# Altium PCB PCB_V2.PcbDoc (part 2 of 2)
Units mm, origin at the board's own origin, x right, y up, seen from the top; angles counter-clockwise.
Board outline 50 x 120 mm, 4 copper layers (Top Layer, Signal Layer 1, Signal Layer 2, Bottom Layer), stack 0.651 mm thick; 256 components, 172 nets, 904 pads, 721 vias.
Unrouted connection lines stored in the file: 635.
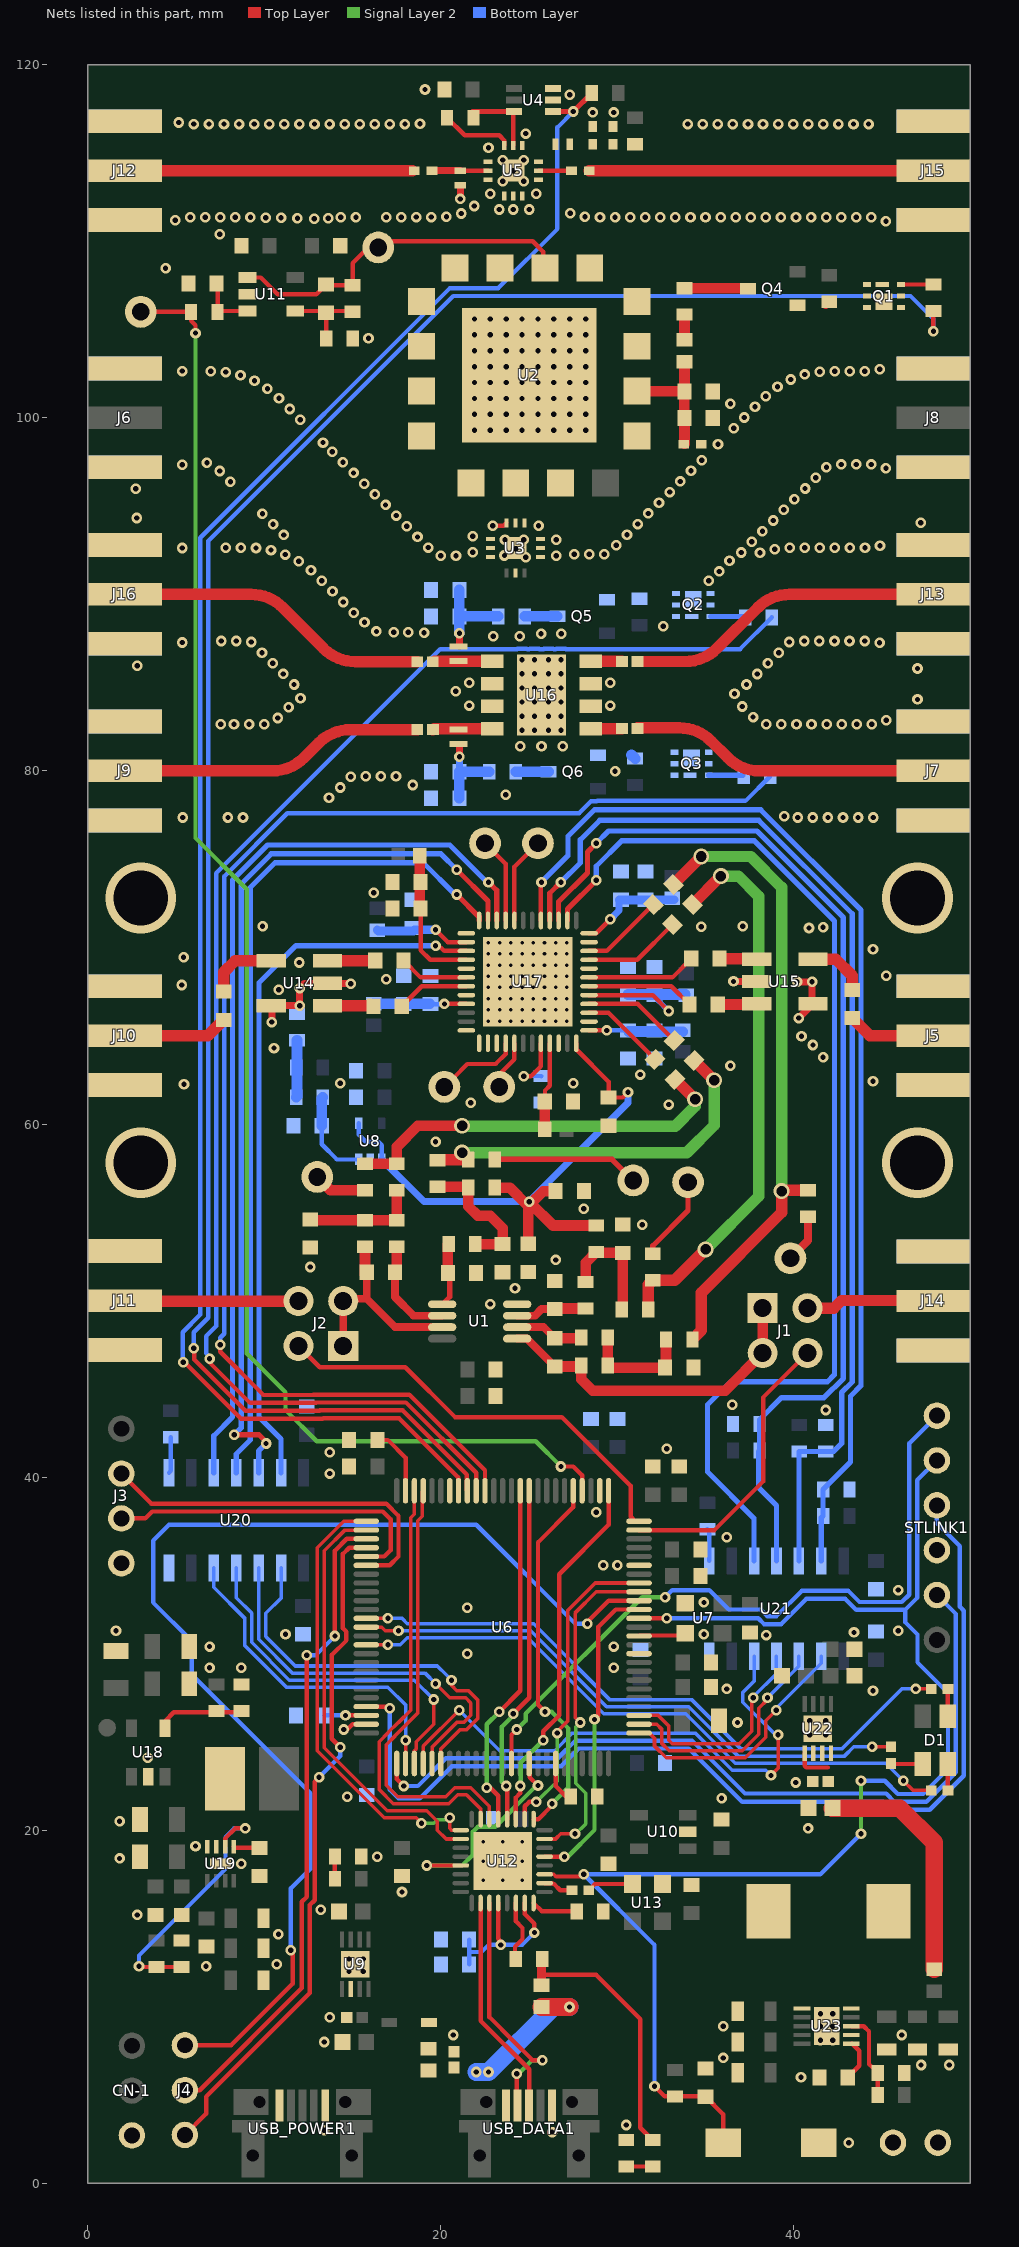
[diagram p4: the nets of this part, all layers, seen from the top]

## Via types
v1: diameter 0.6, hole 0.3, Top Layer to Bottom Layer, tented both sides, 636 vias
v2: diameter 0.5, hole 0.2, Top Layer to Bottom Layer, tented both sides, 73 vias
v3: diameter 0.9, hole 0.6, Top Layer to Bottom Layer, tented both sides, 8 vias
v4: diameter 4, hole 3.1, Top Layer to Bottom Layer, 4 vias

## Nets (pads, with @x,y where several pads share a name; then routed paths per layer and width w, separated by ;. In a path a pad name is that pad's centre, name@x,y a point inside that pad or via, vN(x,y) a via of type N, cw(c..) or ccw(c..) an arc to the next point about the centre after c; other vN are vias at no path point) (continued)
GND: C1.2 C2.2 C3.2 C4.2 C5.2 C6.1 C8.2 C9.2 C10.2 C11.1 C13.1 C14.1 C15.1 C18.1 C19.1 C20.1 C21.1 C22.2 C23.1 C24.1 C25.1 C26.1 C27.2 C28.2 C29.2 C30.1 C31.2 C32.1 C33.2 C34.1 C35.1 C36.2 C37.1 C38.2 C39.2 C40.1 C41.1 C42.1 C43.1 C44.1 C45.1 C46.1 C47.1 C48.1 C49.1 C51.1 C52.1 C53.1 C54.1 C55.1 C56.1 C58.1 C61.1 C69.2 C70.2 C71.2 C72.2 C73.1 C76.1 C77.1 C78.2 C79.2 C80.1 C81.1 C84.2 C85.2 C86.2 C87.2 C88.1 C90.1 C91.1 C92.1 C93.1 C94.1 C95.2 C96.2 C97.2 C98.2 C99.1 C100.1 C101.1 C102.1 C103.1 C104.1 C105.1 C106.1 C107.1 C108.1 C109.2 C110.1 C111.1 C112.1 C113.1 C114.1 C115.1 CN-1.3 CN-GND1.1 CN-GND1.2 D3.2 J3.4 J5.2 J5.3 J5.4 J5.5 J6.2 J6.3 J6.4 J6.5 J7.2 J7.3 J7.4 J7.5 J8.2 J8.3 J8.4 J8.5 J9.2 J9.3 J9.4 J9.5 J10.2 J10.3 J10.4 J10.5 J11.2 J11.3 J11.4 J11.5 J12.2 J12.3 J12.4 J12.5 J13.2 J13.3 J13.4 J13.5 J14.2 J14.3 J14.4 J14.5 J15.2 J15.3 J15.4 J15.5 J16.2 J16.3 J16.4 J16.5 L1.2 Q1.4 Q1.7 Q2.4 Q2.7 Q3.4 Q3.7 R19.2 R26.1 R27.2 R28.2 R38.1 R39.1 R40.1 R41.1 R44.2 R60.1 R61.1 R65.1 S1.2 STLINK1.3 U1.4 U2.1 U2.3 U2.5 U2.7 U2.8 U2.9 U2.11 U2.12 U2.13 U2.14 U2.15 U2.16 U2.17 U3.1 U3.3 U3.4 U3.5 U3.6 U3.8 U3.10 U3.11 U3.12 U3.13 U4.2 U4.3 U5.1 U5.3 U5.4 U5.5 U5.6 U5.7 U5.10 U5.13 U6.10 U6.20 U6.27 U6.74 U7.2 U8.2 U9.6 U9.9 U10.2 U11.2 U12.33 U13.2 U14.2 U14.6 U15.2 U15.4 U16.2 U16.3 U16.6 U16.7 U16.9 U17.1 U17.5 U17.8 U17.12 U17.13 U17.14 U17.15 U17.22 U17.26 U17.32 U17.35 U17.49 U18.2 U19.8 U19.9 U20.7 U21.7 U22.6 U22.9 U23.7 U23.11 USB_DATA1.5 USB_POWER1.5 | length 14
  Top Layer w0.25: v1@14.6,25.6 15,26 U6.74@15.775,26 ; v1(22.935,93.89) 23.555,93.89 U3.3@23.715,94.05 ; C53.1@34.15,16.95 C53.1@34.2,16.9
  Top Layer w0.4: v1(10.425,65.775) 10.425,66.67 10.455,66.7 v1(12,66.7) v1(12,67.7) 12.27,67.97 U14.2@13.575,67.97 14.88,67.97 v1(14.9,67.95) ; v1(21.1,112.4) L1.2@21.1,113.09 ; v1(36.575,68.075) 37.89,68.075 U15.2@37.895,68.07 ; v1(40.175,68.05) v1(41.025,68.05) 41.025,66.85 U15.4@41.075,66.8 v1(40.275,66)
  other v1: 43.1,2.3 26.3,2.9 13.4,3 30.5,3.3 40.4,6 47.2,6.7 48.8,6.7 36,7.1 13.4,8 41.5,8.1 42.2,8.1 20.7,8.4 46.1,8.4 36,8.9 41.5,8.9 42.2,8.9 13.7,9.4 41.5,9.6 42.2,9.6 14.8,12 15.6,12 6.7,12.3 10.7,12.4 14.8,12.7 15.6,12.7 10.8,14.1 2.8,15.2 13.2,15.5 17.8,16.5 8.7,18.1 1.8,18.4 16.4,18.5 6.1,19.1 40.8,20.1 1.8,20.5 35.9,21.8 14.7,21.9 40.1,22.7 3.4,24.1 40.9,25.4 41.8,25.4 14.5,25.7 36.8,26.1 40.9,26.2 41.8,26.2 44.475,27.9 36.2,28 6.9,29.2 8.7,29.2 29.8,29.2 21.5,30 6.9,30.4 29.8,30.4 38.428,31.05 11.2,31.1 34.9,31.1 43.4,31.2 1.6,31.3 45.9,31.3 21.5,32.6 34.9,32.9 45.9,33.6 29.2,35 30,35 36.2,36.6 28.8,38 13.7,40.2 13.7,41.4 32.8,41.6 41.8,43.8 36.5,44.1 22.8,49.8 24.2,50.7 12.6,51.9 26.5,52.3 31.4,54.3 28.1,55.2 19.7,59 32.9,61.1 21.7,61.2 5.45,62.25 14.3,62.3 27.5,62.3 44.475,62.425 31.3,62.8 36.4,63.3 41.65,63.775 10.55,64.3 41.075,64.475 40.425,64.975 10.825,67.6 5.325,67.875 16.9,68.2 45.225,68.4 11.975,69.15 5.425,69.45 44.475,69.9 40.85,71.1 41.65,71.15 34.75,71.175 9.9,71.2 37.1,71.2 16.2,73.1 5.375,77.36 7.937,77.36 8.791,77.36 40.217,77.36 41.071,77.36 41.925,77.36 42.779,77.36 43.633,77.36 44.487,77.36 39.45,77.425 13.665,78.484 23.675,78.65 14.295,79.061 18.4,79.2 14.898,79.665 15.752,79.695 16.606,79.695 17.46,79.695 29.866,79.987 24.5,81.4 25.7,81.4 26.9,81.4 24.6,82.3 25.3,82.3 26.1,82.3 26.8,82.3 7.525,82.65 8.283,82.64 9.137,82.64 9.991,82.64 38.434,82.64 39.288,82.64 40.142,82.64 40.996,82.64 41.85,82.64 42.704,82.64 43.558,82.64 44.412,82.64 45.235,82.867 10.766,82.999 37.684,83.049 24.6,83.1 25.3,83.1 26.1,83.1 26.8,83.1 11.374,83.599 37.077,83.649 21.6,83.7 29.6,83.7 24.6,83.9 25.3,83.9 26.1,83.9 26.8,83.9 47,84.05 12.048,84.123 36.63,84.377 20.845,84.51 24.6,84.7 25.3,84.7 26.1,84.7 26.8,84.7 11.684,84.896 37.31,84.894 21.6,85 29.6,85 11.074,85.493 24.6,85.5 25.3,85.5 26.1,85.5 26.8,85.5 37.923,85.489 47,85.8 2.8,85.95 10.47,86.097 38.526,86.093 24.6,86.3 25.3,86.3 26.1,86.3 26.8,86.3 39.13,86.697 9.866,86.701 5.35,87.275 44.851,87.264 9.262,87.304 39.734,87.301 7.556,87.36 8.41,87.36 40.586,87.36 41.44,87.36 42.294,87.36 43.148,87.36 44.002,87.36 22.975,87.625 24.475,87.625 25.675,87.775 26.825,87.775 19.05,87.825 17.325,87.85 18.15,87.85 16.35,87.9 32.6,88.2 15.675,88.425 15.07,88.963 14.466,89.567 13.862,90.171 13.259,90.775 35.175,90.775 35.775,91.3 12.641,91.365 11.953,91.87 36.35,91.9 24.8,92.1 20.001,92.19 20.855,92.19 23.6,92.2 26.535,92.19 11.19,92.255 27.547,92.265 28.401,92.265 29.255,92.265 38.075,92.355 37.007,92.374 21.8,92.39 10.375,92.51 38.904,92.563 24.235,92.59 5.35,92.625 7.822,92.64 8.676,92.64 9.529,92.627 39.754,92.642 40.608,92.64 41.462,92.64 42.316,92.64 43.17,92.64 44.024,92.64 19.283,92.651 44.871,92.747 29.941,92.774 37.611,92.978 23.635,93.09 24.7,93.1 26.535,93.09 18.679,93.255 21.8,93.29 11.1,93.367 30.545,93.378 38.215,93.582 18.075,93.859 25.535,93.89 10.496,93.971 31.149,93.982 47.175,94.05 38.819,94.185 2.775,94.325 17.471,94.463 9.892,94.575 31.752,94.586 39.423,94.789 16.867,95.066 32.356,95.19 40.027,95.393 16.263,95.67 32.96,95.794 2.725,95.975 40.631,95.997 15.659,96.274 8.08,96.386 33.564,96.398 41.234,96.601 15.055,96.878 7.477,96.99 34.168,97.001 45.211,97.139 41.838,97.205 5.35,97.35 42.678,97.36 43.532,97.36 44.386,97.36 6.75,97.45 14.452,97.482 34.772,97.605 13.848,98.086 35.7,98.5 13.325,98.6 21.9,99.3 22.8,99.3 23.7,99.3 24.6,99.3 25.5,99.3 26.4,99.3 27.3,99.3 28.2,99.3 36.583,99.417 12.036,99.897 37.187,100.021 21.9,100.2 22.8,100.2 23.7,100.2 24.6,100.2 25.5,100.2 26.4,100.2 27.3,100.2 28.2,100.2 11.432,100.501 37.791,100.625 36.4,100.8 21.9,101.1 22.8,101.1 23.7,101.1 24.6,101.1 25.5,101.1 26.4,101.1 27.3,101.1 28.2,101.1 10.828,101.105 38.399,101.225 10.174,101.654 39.065,101.759 21.9,102 22.8,102 23.7,102 24.6,102 25.5,102 26.4,102 27.3,102 28.2,102 9.444,102.096 39.812,102.173 8.65,102.412 40.616,102.46 7.816,102.593 41.457,102.611 5.35,102.65 6.963,102.64 42.31,102.64 43.164,102.64 44.018,102.64 44.866,102.744 21.9,102.9 22.8,102.9 23.7,102.9 24.6,102.9 25.5,102.9 26.4,102.9 27.3,102.9 28.2,102.9 21.9,103.8 22.8,103.8 23.7,103.8 24.6,103.8 25.5,103.8 26.4,103.8 27.3,103.8 28.2,103.8 15.9,104.5 21.9,104.7 22.8,104.7 23.7,104.7 24.6,104.7 25.5,104.7 26.4,104.7 27.3,104.7 28.2,104.7 21.9,105.6 22.8,105.6 23.7,105.6 24.6,105.6 25.5,105.6 26.4,105.6 27.3,105.6 28.2,105.6 4.405,108.471 7.475,110.4 45.211,111.139 4.958,111.192 12.825,111.275 11.875,111.3 13.625,111.3 10.075,111.325 10.95,111.325 5.796,111.36 6.65,111.36 7.504,111.36 8.358,111.36 9.212,111.36 14.336,111.36 15.19,111.36 16.898,111.36 17.752,111.36 29.014,111.36 29.868,111.36 30.722,111.36 31.576,111.36 32.43,111.36 33.284,111.36 34.138,111.36 34.992,111.36 35.846,111.36 36.7,111.36 37.554,111.36 38.408,111.36 39.262,111.36 40.116,111.36 40.97,111.36 41.824,111.36 42.678,111.36 43.532,111.36 44.386,111.36 18.606,111.37 19.46,111.37 28.16,111.384 20.313,111.391 21.148,111.573 27.329,111.58 23.3,111.8 24.1,111.8 25,111.8 21.889,111.997 22.8,112.7 25.4,112.7 23.5,113.4 24.7,113.4 24.1,114 23.5,114.6 24.7,114.6 22.7,115.3 24.8,116.1 6.009,116.64 6.863,116.64 7.717,116.64 8.571,116.64 9.425,116.64 10.279,116.64 11.133,116.64 11.987,116.64 12.841,116.64 13.695,116.64 14.549,116.64 15.403,116.64 16.257,116.64 17.111,116.64 17.965,116.64 33.979,116.64 34.833,116.64 35.687,116.64 36.541,116.64 37.395,116.64 38.249,116.64 39.103,116.64 39.957,116.64 40.811,116.64 41.665,116.64 42.519,116.64 43.373,116.64 44.227,116.64 18.819,116.65 5.159,116.73 28.6,117.3 29.8,117.3 27.3,118.3 19.1,118.6
  other v2: 22.4,17.15 23.5,17.15 24.6,17.15 22.4,18.25 23.5,18.25 24.6,18.25 22.4,19.35 23.5,19.35 24.6,19.35 22.695,65.83 23.33,65.83 23.965,65.83 24.6,65.83 25.235,65.83 25.87,65.83 26.505,65.83 27.14,65.83 22.695,66.465 23.33,66.465 23.965,66.465 24.6,66.465 25.235,66.465 25.87,66.465 26.505,66.465 27.14,66.465 22.695,67.1 23.33,67.1 23.965,67.1 24.6,67.1 25.235,67.1 25.87,67.1 26.505,67.1 27.14,67.1 22.695,67.735 23.33,67.735 23.965,67.735 24.6,67.735 25.235,67.735 25.87,67.735 26.505,67.735 27.14,67.735 22.695,68.37 23.33,68.37 23.965,68.37 24.6,68.37 25.235,68.37 25.87,68.37 26.505,68.37 27.14,68.37 22.695,69.005 23.33,69.005 23.965,69.005 24.6,69.005 25.235,69.005 25.87,69.005 26.505,69.005 27.14,69.005 22.695,69.64 23.33,69.64 23.965,69.64 24.6,69.64 25.235,69.64 25.87,69.64 26.505,69.64 27.14,69.64 22.695,70.275 23.33,70.275 23.965,70.275 24.6,70.275 25.235,70.275 25.87,70.275 26.505,70.275 27.14,70.275
  other v4: 3,57.8 47,57.8 3,72.8 47,72.8
I_OUT_N: C74.1 R5.2 R7.2 | length 36.7
  Top Layer w0.645: C74.1@33.166,73.566 v3(34.75,75.15) ; R5.2@34.25,47.8 34.75,48.3 34.75,50.435 39.3,54.985 v3(39.3,56.2) 39.35,56.25 R7.2@40.8,56.25
  Signal Layer 2 w0.645: v3(34.75,75.15) 37.55,75.15 39.3,73.4 v3(39.3,56.2)
I_OUT_P: C75.1 R2.2 R3.1 | length 31.6
  Top Layer w0.645: R3.1@31.75,49.5 31.75,50.9 R2.2@32,51.15 33.25,51.15 v3(35,52.9) ; C75.1@34.251,72.436 v3(35.858,74.043)
  Signal Layer 2 w0.645: v3(35,52.9) 38,55.9 38,72.9 36.857,74.043 v3(35.858,74.043)
I_OUTDC_N: C74.2 U17.34 | length 4.7
  Top Layer w0.25: U17.34@28.392,69.802 29.403,69.802 C74.2@32.034,72.434
I_OUTDC_P: C75.2 U17.33 | length 5.6
  Top Layer w0.25: U17.33@28.392,69.303 31.117,69.303 C75.2@33.119,71.304
I_SMA: J1.4 J14.1 | length 7
  Top Layer w0.645: J1.4@40.77,49.57 42.27,49.57 42.7,50 J14.1@47.613,50
LED_B: R21.2 U6.65 | length 35.7
  Top Layer w0.2: U6.65@15.775,30.5 v1(17,30.5) ; v1(46.2,22.8) 46.75,22.25 R21.2@47.775,22.25
  Bottom Layer w0.2: v1(17,30.5) 17.7,30.5 18.1,30.9 24.92,30.9 29.22,26.6 33.869,26.6 36.669,23.8 45.2,23.8 v1(46.2,22.8)
LED_G: R23.2 U6.62 | length 36.5
  Top Layer w0.2: U6.62@15.775,32 v1(17,32) ; v1(46.9,28) R23.2@47.775,28
  Bottom Layer w0.2: v1(17,32) 17.8,32 18.1,31.7 25.251,31.7 29.551,27.4 34.2,27.4 37,24.6 42.7,24.6 46.1,28 v1(46.9,28)
LED_R: R22.2 U6.63 | length 33
  Top Layer w0.2: U6.63@15.775,31.5 16.651,31.5 16.851,31.3 v1(17.6,31.3) ; v1(44.425,24.725) R22.2@45.5,24.725
  Bottom Layer w0.2: v1(17.6,31.3) 25.086,31.3 29.386,27 34.034,27 36.834,24.2 42.866,24.2 43.391,24.725 v1(44.425,24.725) v1@44.4,24.7
LNA1_VCC: C58.2 C61.2 L3.2 R56.1 | length 4.7
  Top Layer w0.4: v1(21.05,80.8) L3.2@21.05,81.485
  Bottom Layer w0.4: C58.2@21.05,79.95 v1(21.05,80.8)
  Bottom Layer w0.6: C61.2@21.05,78.45 C58.2@21.05,79.95 R56.1@22.75,79.95
LNA2_VCC: C69.1 C70.1 L4.2 R55.1 | length 5.4
  Top Layer w0.4: L4.2@21.05,87.085 v1(21.05,87.8)
  Bottom Layer w0.6: v1(21.05,87.8) C69.1@21.05,88.75 ; C70.1@21.05,90.25 C69.1@21.05,88.75 ; R55.1@23.25,88.75 C69.1@21.05,88.75
LNA_1_IN: C64.1 J7.1 | length 16.9
  Top Layer w0.645: C64.1@31.14,82.435 33.513,82.435 cw(c33.513,79.895) 35.309,81.691 36.256,80.744 ccw(c38.052,82.54) 38.052,80 J7.1@47.25,80
LNA_1_OUT: C65.2 J9.1 | length 16.4
  Top Layer w0.645: J9.1@2.987,80 10.448,80 ccw(c10.448,82.54) 12.244,80.744 13.091,81.591 cw(c14.887,79.795) 14.887,82.335 C65.2@18.67,82.335
LNA_2_IN: C67.1 J13.1 | length 17.3
  Top Layer w0.645: C67.1@31.14,86.2 33.848,86.2 ccw(c33.848,88.74) 35.644,86.944 37.956,89.256 cw(c39.752,87.46) 39.752,90 J13.1@47.05,90
LNA_2_OUT: C68.2 J16.1 | length 17.2
  Top Layer w0.645: J16.1@2.788,90 9.248,90 cw(c9.248,87.46) 11.044,89.256 13.371,86.929 ccw(c15.167,88.725) 15.167,86.185 C68.2@18.66,86.185
MIX_CLK_5V: U17.48 U20.11 | length 48.5
  Top Layer w0.3: v1(20.9,73) 22.167,71.732 U17.48@22.167,71.527
  Bottom Layer w0.3: U20.11@8.41,40.25 8.41,41.31 9.2,42.1 9.2,73.4 10.6,74.8 19,74.8 20.8,73 v1(20.9,73)
MIX_CS_5V: U17.46 U20.10 | length 52.6
  Top Layer w0.3: v1(22.7,73.7) 23.168,73.233 U17.46@23.168,71.527
  Bottom Layer w0.3: U20.10@7.14,40.25 7.14,42.34 8.2,43.4 8.2,73.814 10.186,75.8 20.5,75.8 22.6,73.7 v1(22.7,73.7)
MIX_DATA_5V: U17.47 U20.12 | length 52.1
  Top Layer w0.3: v1(8.3,42.4) 9.7,42.4 10.1,42 v1(10.1,41.9) ; v1(20.9,74.4) 22.667,72.633 U17.47@22.667,71.527
  Bottom Layer w0.3: v1(8.3,42.4) 8.7,42.8 8.7,73.607 10.393,75.3 20,75.3 v1(20.9,74.4) ; U20.12@9.68,40.25 9.68,41.48 v1(10.1,41.9)
MIX_EN_5V: U17.3 U20.13 | length 41.1
  Top Layer w0.25: v1(19.7,70.1) 19.7,70 20,70 20.198,69.802 U17.3@21.442,69.802
  Bottom Layer w0.3: U20.13@10.95,40.25 10.95,42.15 9.7,43.4 9.7,68 11.8,70.1 v1(19.7,70.1)
MIX_GAIN_B0_5V: R37.1 R38.2 U17.39 U21.11 | length 61.8
  Top Layer w0.3: U17.39@26.668,71.527 26.668,72.587 28.3,74.219 28.3,75.4 v1(28.8,75.9)
  Bottom Layer w0.3: v1(28.8,75.9) 29.5,76.6 37.9,76.6 42.8,71.7 42.8,45.593 41.707,44.5 39.3,44.5 38.05,43.25 R38.2@38.05,43 R37.1@38.05,41.5 38,41.45 38,39.4 39.01,38.39 U21.11@39.01,35.25
MIX_GAIN_B1_5V: R36.1 R39.2 U17.40 U21.12 | length 62.4
  Top Layer w0.3: U17.40@26.167,71.527 26.167,73.067 v1(26.8,73.7)
  Bottom Layer w0.3: v1(26.8,73.7) 27.9,74.8 27.9,76.1 29,77.2 38.007,77.2 43.3,71.907 43.3,45.386 42.7,44.786 42.7,41.9 42.25,41.45 R39.2@41.8,41.45 R36.1@40.3,41.45 40.28,41.43 U21.12@40.28,35.25
MIX_GAIN_B2_5V: R35.1 R40.2 U17.41 U21.13 | length 62.8
  Top Layer w0.25: U17.41@25.668,71.527 25.668,73.668 v1(25.7,73.7)
  Bottom Layer w0.3: v1(25.7,73.7) 27.2,75.2 27.2,76.3 28.7,77.8 38.114,77.8 43.8,72.114 43.8,45.179 43.2,44.579 43.2,40.85 R40.2@41.65,39.3 R35.1@41.65,37.8 41.55,37.7 U21.13@41.55,35.25
MIX_LO: C63.1 J5.1 | length 4.4
  Top Layer w0.645: C63.1@43.3,66 44.3,65 J5.1@47.3,65
MIX_LO_N: C66.2 U17.30 | length 6.1
  Top Layer w0.25: U17.30@28.392,67.803 33.052,67.803 C66.2@34.085,66.77
MIX_LO_P: C62.2 U17.31 | length 6.2
  Top Layer w0.25: U17.31@28.392,68.302 33.118,68.302 C62.2@34.185,69.37
MIX_READBACK_5V: U17.38 U21.10 | length 63.3
  Top Layer w0.3: U17.38@27.167,71.527 27.167,72.167 v1(28.8,73.8)
  Bottom Layer w0.3: v1(28.8,73.8) 28.8,74.6 30.25,76.05 37.743,76.05 42.3,71.493 42.3,45.8 41.9,45.4 36.4,45.4 35.1,44.1 35.1,40.3 37.74,37.66 U21.10@37.74,35.25
MIX_RF: C59.1 J10.1 | length 4.9
  Top Layer w0.645: J10.1@3.2,65 6.8,65 C59.1@7.7,65.9
MIX_RF_N: C60.2 U17.7 | length 4.1
  Top Layer w0.25: C60.2@17.785,66.67 18.917,67.803 U17.7@21.442,67.803
MIX_RF_P: C57.2 U17.6 | length 4
  Top Layer w0.25: C57.2@17.885,69.27 18.853,68.302 U17.6@21.442,68.302
MIX_VCM: C2.1 C8.1 C84.1 R1.1 R9.1 U8.1 U8.4 U17.24 | length 36.8
  Top Layer w0.25: U17.24@27.667,64.578 27.667,64.233 29.5,62.4 C84.1@29.5,61.5 30.3,61.5 v1(30.6,61.8)
  Top Layer w0.6: R9.1@23.05,56.4 23.9,56.4 v1@24.95,55.35 ; C8.1@24.95,53.215 v1@24.95,55.35 ; v1(25,55.6) v1@25.1,55.5 ; C2.1@26.5,56.2 25.8,56.2 v1@25.1,55.5 ; R1.1@28.8,54.25 26.35,54.25 v1@25.1,55.5 ; v1@24.95,55.35 v1@25.1,55.5
  Signal Layer 2 w0.4: v1(30.6,61.8) v1@30.6,61.9
  Bottom Layer w0.25: U8.4@15.35,60.04 15.35,59.4 15.75,59 16.45,59 16.65,58.8 U8.1@16.65,57.99
  Bottom Layer w0.4: U8.1@16.65,57.99 19.04,55.6 v1(25,55.6) 30.6,61.2 v1(30.6,61.8)
NetC4_1: C4.1 R4.1 U1.3 | length 4
  Top Layer w0.45: U1.3@24.325,49.14 25.325,49.14 25.7,49.515 C4.1@26.45,49.515
  Top Layer w0.6: C4.1@26.485,49.55 R4.1@28.2,49.55
NetC5_1: C5.1 R1.2 R3.2 R4.2 | length 6.7
  Top Layer w0.6: R4.2@28.2,51.05 28.2,52.15 R1.2@28.8,52.75 28.85,52.7 C5.1@30.3,52.7 30.3,49.55 R3.2@30.25,49.5
NetC6_2: C6.2 R5.1 R6.2 R8.2 | length 6.3
  Top Layer w0.25: R6.2@29.4,47.9 R6.2@29.45,47.9
  Top Layer w0.6: R8.2@29.45,46.315 R6.2@29.45,47.85 ; R8.2@29.565,46.2 C6.2@32.7,46.2 ; C6.2@32.75,46.25 R5.1@32.75,47.8
NetC7_1: C7.1 R6.1 U1.2 | length 3.8
  Top Layer w0.45: U1.2@24.325,48.49 25.825,48.49 C7.1@26.45,47.865
  Top Layer w0.6: C7.1@26.45,47.865 R6.1@27.915,47.865
NetC7_2: C7.2 J1.1 J1.2 R8.1 U1.1 | length 19
  Top Layer w0.45: U1.1@24.325,47.84 24.875,47.84 C7.2@26.45,46.265
  Top Layer w0.6: C7.2@26.45,46.265 R8.1@27.9,46.265 ; R8.1@27.95,46.315 27.95,45.55 28.6,44.9 36.1,44.9 J1.2@38.23,47.03 J1.1@38.23,49.57
NetC9_1: C9.1 R12.1 U1.5 | length 3.6
  Top Layer w0.3: U1.5@20.075,49.79 20.5,50.215 20.5,51.465 C9.1@20.4,51.565
  Top Layer w0.6: C9.1@20.4,51.565 R12.1@20.4,53.15
NetC10_1: C10.1 R9.2 R11.1 R12.2 | length 7.7
  Top Layer w0.6: R11.1@19.8,56.45 R9.2@21.5,56.45 ; R9.2@21.55,56.4 21.55,55.35 22.1,54.8 22.8,54.8 23.5,54.1 C10.1@23.5,53.2 R12.2@21.95,53.2
NetC11_2: C11.2 R13.1 R14.2 R16.2 | length 6.6
  Top Layer w0.6: C11.2@12.65,54.55 R16.2@15.7,54.55 R14.2@17.5,54.55 R13.1@17.5,56.25
NetC12_1: C12.1 R14.1 U1.6 | length 5.9
  Top Layer w0.45: C12.1@17.4,51.4 17.4,50.2 18.46,49.14 U1.6@20.075,49.14
  Top Layer w0.6: C12.1@17.5,51.5 R14.1@17.5,53.05
NetC12_2: C12.2 J2.1 J2.2 R16.1 U1.7 | length 11.7
  Top Layer w0.45: J2.1@14.47,47.43 J2.2@14.47,49.97 14.6,50.1 15.8,50.1 ; C12.2@15.8,51.4 15.8,50.1 ; U1.7@20.075,48.49 17.41,48.49 15.8,50.1
  Top Layer w0.6: C12.2@15.7,51.5 R16.1@15.7,53.05
NetC13_2: C13.2 C14.2 C15.2 FB1.1 U2.6 | length 7.4
  Top Layer w0.4: C15.2@33.778,100.011 C15.2@33.8,99.989 ; C14.2@33.8,98.539 C14.2@33.85,98.489
  Top Layer w0.6: U2.6@31.1,101.511 33.778,101.511 C15.2@33.778,100.011 ; C14.2@33.8,98.539 C15.2@33.8,99.989 ; C13.2@33.8,101.489 FB1.1@33.8,103.185
NetC16_2: C16.2 L1.1 U5.2 | length 3.2
  Top Layer w0.25: L1.1@21.1,114 U5.2@22.675,114
  Top Layer w0.4: C16.2@19.5,114 L1.1@21.1,114
NetC17_2: C17.2 U5.8 | length 1.9
  Top Layer w0.25: U5.8@25.525,114 C17.2@27.4,114
NetC19_2: C19.2 C20.2 L2.1 R45.1
NetC23_2: C23.2 U6.73 | length 2.4
  Top Layer w0.25: v1(14.6,26.5) U6.73@15.775,26.5
  Bottom Layer w0.25: C23.2@13.4,26.5 v1(14.6,26.5)
NetC37_2: C37.2 U6.49 | length 3.9
  Top Layer w0.25: C37.2@16.4,42.1 17,42.1 18,41.1 U6.49@18,39.225
NetC40_2: C40.2 R25.1 U8.3 | length 5.1
  Bottom Layer w0.25: C40.2@13.25,59.9 13.25,58.85 14.11,57.99 U8.3@15.35,57.99
  Bottom Layer w0.6: C40.2@13.25,59.9 13.25,61.465 R25.1@13.3,61.515
NetC55_2: C55.2 C56.2 U12.20 U12.23 | length 9.6
  Top Layer w0.25: U12.20@23.25,15.875 23.25,13.85 23.4,13.7 v1(23.4,13.5) ; U12.23@24.75,15.875 24.75,15.25 25.3,14.7 v1(25.3,14.2)
  Bottom Layer w0.25: C55.2@21.6,12.4 21.6,13.1 ; C56.2@21.6,13.8 21.6,13.1 ; v1@25.1,14 24.6,13.5 v1(23.4,13.5) 22.7,13.5 22.3,13.1 21.6,13.1
NetC57_1: C57.1 U14.3 | length 2.7
  Top Layer w0.645: U14.3@13.575,69.24 C57.1@16.255,69.24
NetC59_2: C59.2 U14.4 | length 4.1
  Top Layer w0.645: C59.2@7.7,67.5 7.7,68.6 8.34,69.24 U14.4@10.395,69.24
NetC60_1: C60.1 U14.1 | length 2.6
  Top Layer w0.645: U14.1@13.575,66.7 C60.1@16.155,66.7
NetC62_1: C62.1 U15.1 | length 2.1
  Top Layer w0.645: C62.1@35.785,69.37 37.865,69.37 U15.1@37.895,69.34
NetC63_2: C63.2 U15.6 | length 3.4
  Top Layer w0.645: U15.6@41.075,69.34 42.36,69.34 43.3,68.4 C63.2@43.3,67.6
NetC64_2: C64.2 U16.1 | length 1.8
  Top Layer w0.645: U16.1@28.49,82.395 30.255,82.395 C64.2@30.26,82.4
NetC65_1: C65.1 L3.1 U16.8 | length 3.4
  Top Layer w0.645: C65.1@19.55,82.335 cw(c19.695,82.19) 19.695,82.395 U16.8@22.91,82.395
NetC66_1: C66.1 U15.3 | length 2.2
  Top Layer w0.645: C66.1@35.685,66.77 U15.3@37.865,66.77
NetC67_2: C67.2 U16.4 | length 1.8
  Top Layer w0.645: U16.4@28.49,86.205 30.255,86.205 C67.2@30.26,86.2
NetC68_1: C68.1 L4.1 U16.5 | length 3.4
  Top Layer w0.35: C68.1@19.54,86.185 cw(c19.637,86.088) C68.1@19.637,86.225
  Top Layer w0.645: C68.1@19.637,86.225 ccw(c19.685,86.273) 19.685,86.205 U16.5@22.91,86.205
NetC71_1: C71.1 C72.1 FB6.2 U17.36 | length 5.9
  Top Layer w0.25: U17.36@28.392,70.802 28.803,70.802 v1(29.6,71.6)
  Bottom Layer w0.4: v1(29.6,71.6) 30.1,72.1 C71.1@30.1,72.685
  Bottom Layer w0.5: C71.1@30.1,72.685 31.585,72.685 C72.1@31.6,72.7 FB6.2@33.2,72.7
NetC73_2: C73.2 FB7.2 U17.2 | length 5.4
  Top Layer w0.25: v1(19.7,71) 20.398,70.303 U17.2@21.442,70.303
  Bottom Layer w0.5: FB7.2@16.4,70.985 16.453,70.932 18.447,70.932 18.515,71 v1(19.7,71)
NetC76_2: C76.2 C77.2 FB8.2 U17.4 | length 8.1
  Top Layer w0.25: C77.2@18.852,72.203 18.852,69.848 19.397,69.303 U17.4@21.442,69.303
  Top Layer w0.6: C77.2@18.815,72.24 FB8.2@18.815,75.2
NetC78_1: C78.1 C79.1 FB9.2 U17.29 | length 9.3
  Top Layer w0.25: U17.29@28.392,67.302 31.998,67.302 v1(32.9,66.4)
  Bottom Layer w0.3: C79.1@32.318,67.338 32.318,66.983 v1(32.9,66.4)
  Bottom Layer w0.6: C78.1@30.6,67.338 32.318,67.338 FB9.2@33.847,67.338
NetC80_2: C80.2 C81.2 FB10.2 U17.9 | length 5.2
  Top Layer w0.25: v1(20.202,66.803) U17.9@21.442,66.803
  Bottom Layer w0.25: C80.2@19.402,66.788 v1@20.188,66.788
  Bottom Layer w0.6: FB10.2@16.2,66.815 C80.2@19.375,66.815
NetC85_1: C85.1 C86.1 FB11.2 U17.25 | length 5.3
  Top Layer w0.25: U17.25@28.392,65.303 v1@29.397,65.303
  Bottom Layer w0.25: v1(29.4,65.3) C86.1@30.6,65.3 C86.1@30.615,65.3
  Bottom Layer w0.6: C86.1@30.652,65.238 32.152,65.238 32.175,65.215 FB11.2@33.7,65.215
NetC87_1: C87.1 FB12.2 U17.21 | length 5.2